# Altium PCB MOTHERBOARD_Hristo_JLC2313.PcbDoc (part 4 of 4)
Units mm, origin at the board's own origin, x right, y up, seen from the top; angles counter-clockwise.
Board outline 100 x 50 mm, 4 copper layers (Top Layer, GND, Power, Bottom Layer), stack 1.548 mm thick; 230 components, 233 nets, 1062 pads, 1045 vias.
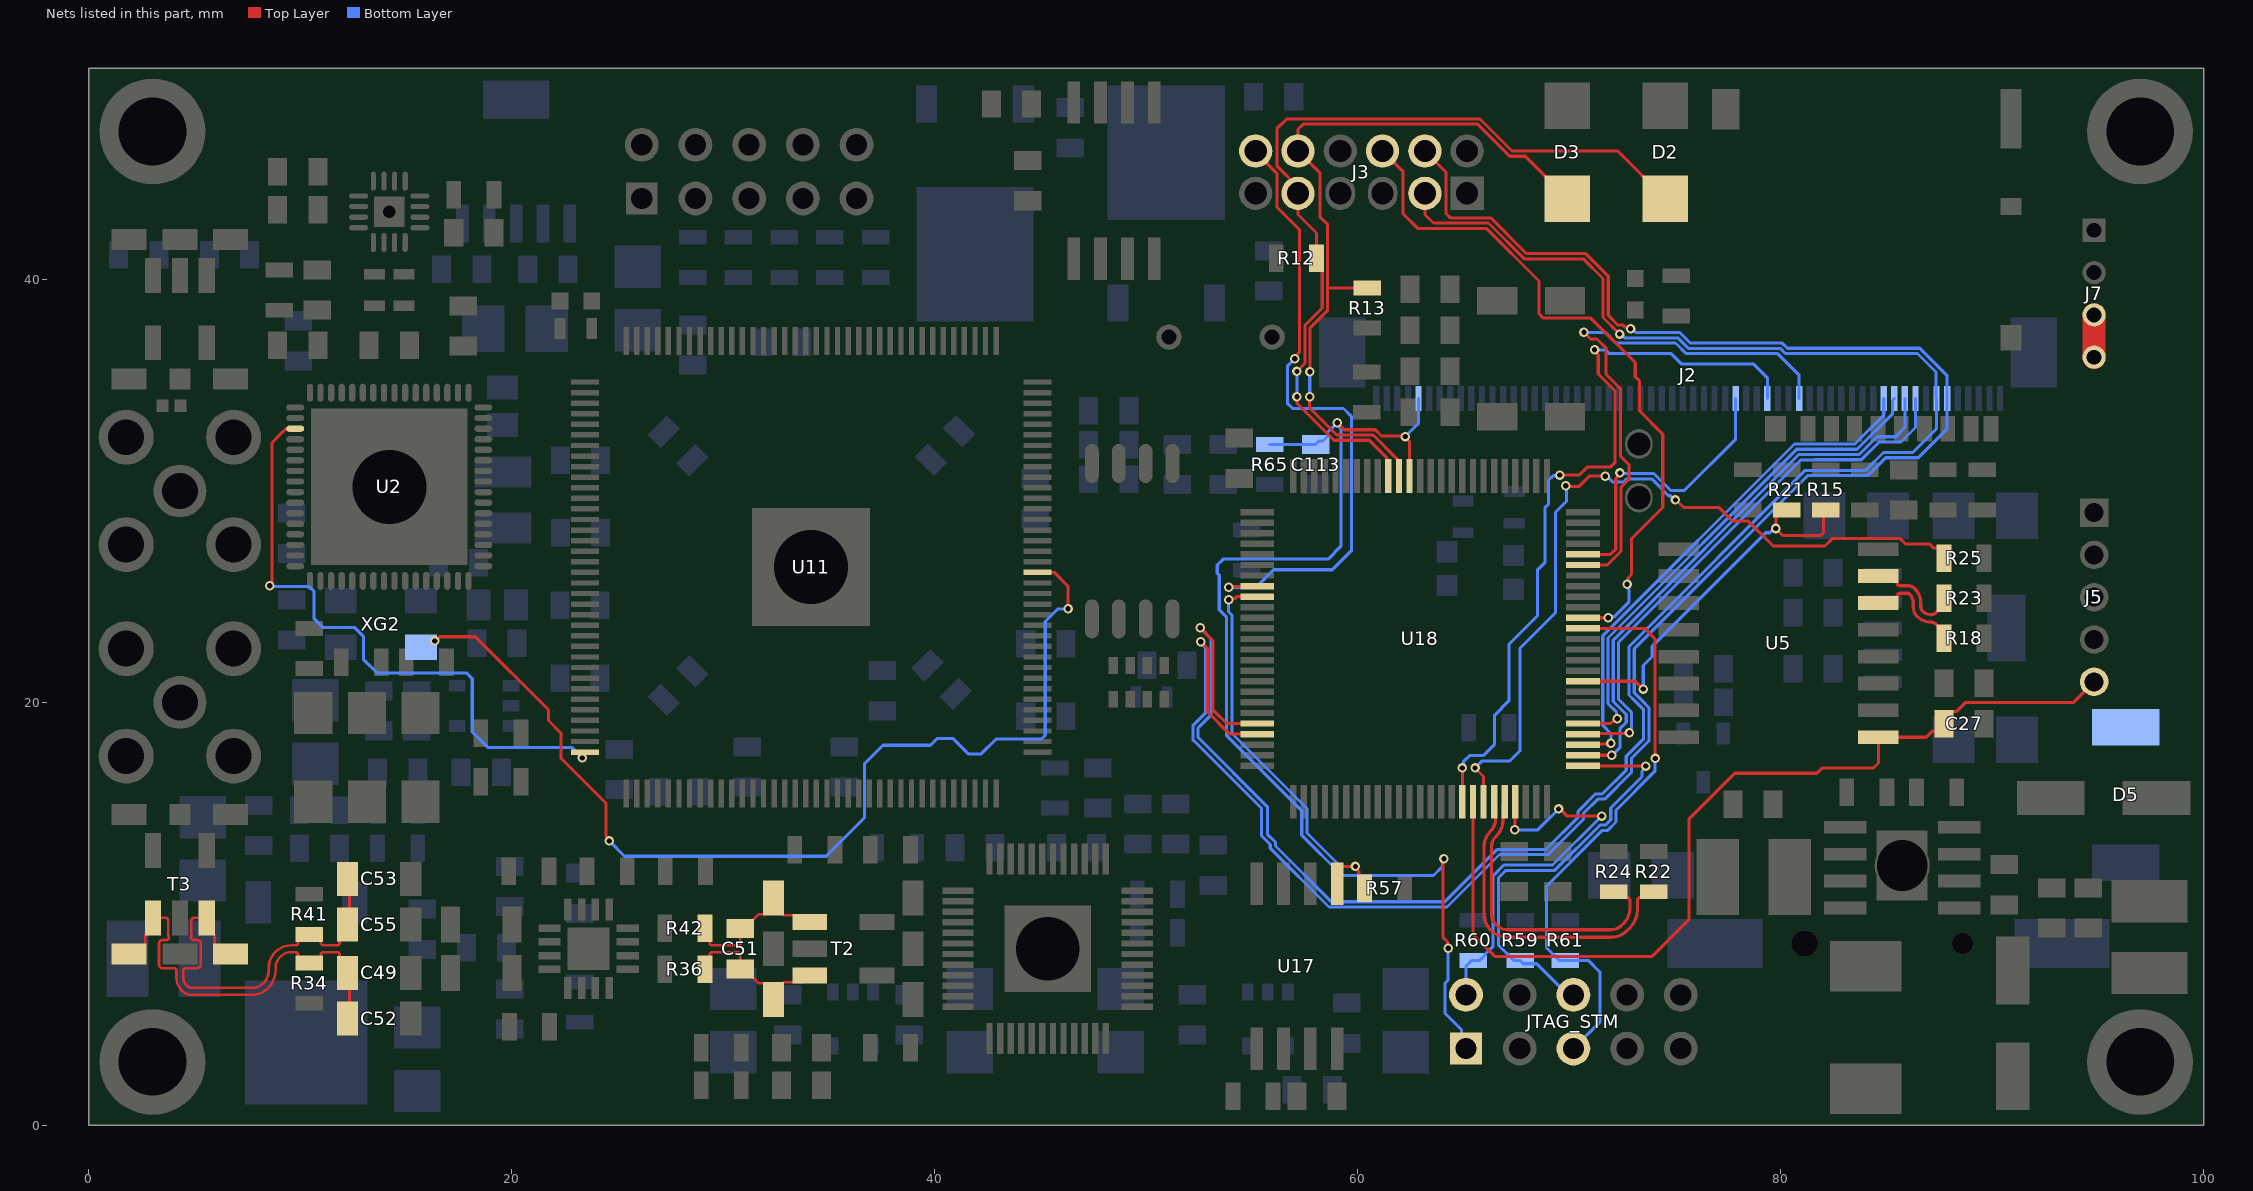
[diagram p6: the nets of this part, all layers, seen from the top]

## Via types
v1: diameter 0.45, hole 0.25, Top Layer to Bottom Layer, tented both sides, 1045 vias

## Nets (pads, with @x,y where several pads share a name; then routed paths per layer and width w, separated by ;. In a path a pad name is that pad's centre, name@x,y a point inside that pad or via, vN(x,y) a via of type N, cw(c..) or ccw(c..) an arc to the next point about the centre after c; other vN are vias at no path point) (continued)
RFUNT_RCLK: J3.6 U18.90 | length 33.3
  Top Layer w0.147: J3.6@61.175,46.075 62.15,45.1 62.15,43.101 62.831,42.42 66.081,42.42 68.57,39.931 68.57,38.382 68.778,38.175 71.026,38.175 73.125,36.076 73.125,35.403 73.323,35.205 73.323,33.788 74.423,32.688 74.423,29.22 72.948,27.745 72.948,26.047 72.781,25.88 72.781,25.63 v1(72.738,25.587) ; U18.90@70.65,24 70.654,24.004 71.839,24.004 v1(71.843,24.007)
  Bottom Layer w0.147: v1(71.843,24.007) 71.886,24.05 72.136,24.05 72.825,24.74 72.825,25.349 72.796,25.378 72.796,25.529 v1(72.738,25.587)
RFUNT_THERM: J3.12 U18.33 | length 30.9
  Top Layer w0.147: v1(53.9,25.448) 53.926,25.474 55.224,25.474 U18.33@55.25,25.5 ; J3.12@54.825,45.689 J3.12@54.825,46.075 ; J3.12@55.175,46.075 55.175,46.024 56.175,45.024 56.175,43.426 57.248,42.353 57.248,36.555 57.025,36.332 v1(57.025,36.25)
  Bottom Layer w0.147: v1(53.9,25.448) 55.195,25.448 56.021,26.273 58.801,26.273 59.701,27.173 59.701,33.525 59.328,33.898 56.927,33.898 56.675,34.15 56.675,35.9 v1(57.025,36.25)
SD_CS: R15.2 R21.2 U18.84 | length 18
  Top Layer w0.147: U18.84@70.65,21 73.132,21 v1(73.502,20.63) ; R21.2@80.175,29.1 80.052,29.1 79.775,28.823 v1(79.775,28.225) 80.103,27.897 81.896,27.897 82.025,28.026 R15.2@82.025,29.1
  Bottom Layer w0.147: v1(73.502,20.63) 73.502,21.743 73.927,22.168 73.927,22.521 73.925,22.523 73.925,22.652 79.296,28.023 79.491,28.023 79.693,28.225 v1(79.775,28.225)
SHDN: U2.19 U11.72 | length 29.6
  Top Layer w0.147: v1(8.543,25.515) 8.652,25.624 8.652,32.278 9.072,32.698 9.291,32.918 9.721,32.918 U2.19@9.75,32.947 ; v1(23.325,17.375) 23.325,17.596 23.379,17.65 U11.72@23.45,17.65
  Bottom Layer w0.147: v1@8.543,25.475 10.422,25.475 10.65,25.247 10.65,23.949 11.047,23.552 12.548,23.552 12.977,23.123 12.977,22.047 13.624,21.4 17.85,21.4 18.127,21.123 18.127,18.598 18.85,17.875 22.825,17.875 v1(23.325,17.375)
STM_NRST: C113.2 J2.5 JTAG_STM.1 R65.1 U18.14 | length 55.4
  Top Layer w0.147: v1(59.027,33.225) 59.358,32.894 60.833,32.894 61.126,32.6 62.215,32.6 v1(62.242,32.574) 62.242,32.544 62.45,32.336 U18.14@62.45,30.7 ; v1(64.076,12.607) 64.025,12.556 64.025,8.9 64.248,8.677 64.248,8.398 v1(64.277,8.369)
  Bottom Layer w0.147: R65.1@55.837,32.2 C113.2@58.025,32.2 58.025,32.222 58.164,32.361 58.357,32.361 58.573,32.576 58.573,32.77 58.986,33.184 v1(59.027,33.225) 59.027,33.142 59.204,32.965 59.204,27.379 58.6,26.775 53.634,26.775 53.357,26.498 53.357,26.105 53.45,26.012 53.45,24.375 53.8,24.025 53.8,18.429 57.352,14.878 57.352,13.722 59.258,11.815 63.581,11.815 64.018,12.252 64.018,12.549 v1(64.076,12.607) ; v1(62.242,32.574) 62.875,33.207 J2.5@62.875,34.375 ; v1(64.277,8.369) 64.277,6.869 64.125,6.717 64.125,5.3 64.911,4.514 64.911,3.839 JTAG_STM.1@65.12,3.63
SWCLK: JTAG_STM.6 R59.2 U18.76 | length 21.3
  Top Layer w0.147: U18.76@70.65,17 71.775,17 71.784,16.991 v1(73.623,16.991)
  Bottom Layer w0.147: JTAG_STM.6@69.932,6.443 70.502,6.443 JTAG_STM.6@70.78,6.165 ; JTAG_STM.6@70.2,6.17 69.93,6.17 68.459,7.641 67.834,7.641 R59.2@67.675,7.8 67.375,7.8 66.65,8.525 66.65,11.696 67.013,12.059 69.317,12.059 71.457,14.199 71.717,14.199 71.966,14.448 71.966,15.01 73.446,16.49 73.446,16.754 73.623,16.931 v1(73.623,16.991)
SWDIO: JTAG_STM.2 R60.2 U18.72 | length 18.7
  Top Layer w0.147: v1(67.425,13.975) 67.438,13.988 67.438,15.287 U18.72@67.45,15.3 ; v1(69.5,14.961) 69.571,14.961 69.908,14.624 v1(71.541,14.624)
  Bottom Layer w0.147: JTAG_STM.2@65.12,6.17 65.12,7.523 65.397,7.8 65.7,7.8 65.775,7.8 66.052,8.077 66.052,8.127 66.402,8.477 66.402,11.799 66.91,12.308 69.214,12.308 71.531,14.624 v1(71.541,14.624) ; v1(67.425,13.975) 68.514,13.975 v1(69.5,14.961)
SWO: JTAG_STM.5 R61.2 U18.89 | length 27.7
  Top Layer w0.147: U18.89@70.65,23.5 73.575,23.5 74.05,23.025 74.05,17.375 v1(74.075,17.35)
  Bottom Layer w0.147: JTAG_STM.5@70.2,3.63 71.452,4.882 71.452,7.248 70.9,7.8 R61.2@69.825,7.8 69.525,7.8 68.925,8.4 68.925,11.306 71.569,13.95 71.82,13.95 72.214,14.345 72.214,14.907 74.05,16.743 74.05,17.325 v1(74.075,17.35)
SWR_BACKW: D2.1 J3.9 R12.1 U18.16 | length 40.7
  Top Layer w0.147: v1(57.125,34.45) 57.125,34.15 58.878,32.397 60.551,32.397 61.373,31.574 61.373,30.777 U18.16@61.45,30.7 ; v1(57.125,35.65) 57.5,36.025 57.5,37.826 58.325,38.651 58.325,40.725 R12.1@58.05,41 58.05,42.2 57.175,43.075 57.175,44.375 56.175,45.375 56.175,47.125 56.643,47.593 65.782,47.593 67.3,46.075 72.3,46.075 D2.1@74.55,43.825
  Bottom Layer w0.147: v1(57.125,34.45) v1(57.125,35.65)
SWR_FORW: D3.1 J3.10 R13.1 U18.15 | length 36.3
  Top Layer w0.147: v1(57.725,34.45) 57.725,33.925 59.005,32.645 60.73,32.645 61.873,31.502 61.873,30.777 U18.15@61.95,30.7 ; v1(57.742,35.633) 57.748,35.639 57.748,37.723 58.575,38.55 58.575,39.6 ; R13.1@60.45,39.6 58.575,39.6 ; D3.1@69.9,43.825 69.9,43.85 67.923,45.827 67.197,45.827 65.679,47.345 57.42,47.345 57.175,47.1 57.175,46.074 58.225,45.024 58.225,42.95 58.575,42.6 58.575,39.6
  Bottom Layer w0.147: v1(57.725,34.45) 57.734,34.459 57.734,35.624 v1(57.742,35.633)
T6_N: C53.1 C55.1 R41.1 T3.3 T3.9 | length 19.6
  Top Layer w0.122: T3.3@6.7,8.1 6.375,8.1 5.936,8.539 5.936,8.999 5.57,9.365 T3.9@5.57,9.81 4.965,9.81 ccw(c4.965,9.688) 4.843,9.688 4.843,8.985 cw(c4.68,8.985) 4.832,8.927 ccw(c4.947,8.885) 4.946,8.763 5.125,8.763 cw(c5.125,8.6) 5.288,8.6 5.288,7.6 cw(c5.125,7.6) 5.125,7.437 4.585,7.437 ccw(c4.585,7.315) 4.463,7.315 4.463,6.992 ccw(c5.017,6.992) 4.625,6.6 ccw(c4.866,6.841) 4.866,6.5 7.707,6.5 ccw(c7.707,7.268) 8.25,6.725 ccw(c7.648,7.327) 8.5,7.327 8.5,7.434 cw(c9.588,7.434) 8.818,8.204 8.821,8.206 cw(c9.562,7.465) 9.562,8.513 9.764,8.513 ccw(c9.764,8.635) 9.851,8.549 ccw(c9.764,8.635) 9.887,8.635 9.887,8.66 cw(c10.07,8.66) 9.94,8.79 10.031,8.881 cw(c10.38,8.532) 10.38,9.025 R41.1@10.425,9.025 10.675,9.025 10.963,8.736 10.963,8.584 11.035,8.513 11.777,8.513 11.849,8.584 11.849,9.123 C55.1@12.219,9.493
  Top Layer w0.154: C55.1@12.319,9.493 C53.1@12.319,11.652
T6_P: C49.1 C52.1 R34.2 T3.1 T3.7 | length 20.1
  Top Layer w0.122: T3.1@1.9,8.1 2.225,8.1 2.664,8.539 2.664,8.999 3.03,9.365 T3.7@3.03,9.81 3.635,9.81 cw(c3.635,9.688) 3.757,9.688 3.757,8.985 ccw(c3.92,8.985) 3.768,8.927 cw(c3.653,8.885) 3.653,8.763 3.475,8.763 ccw(c3.475,8.6) 3.312,8.6 3.312,7.6 ccw(c3.475,7.6) 3.475,7.437 4.015,7.437 cw(c4.015,7.315) 4.137,7.315 4.137,6.99 ccw(c5.012,6.99) 4.393,6.371 4.397,6.368 ccw(c4.864,6.835) 4.864,6.175 7.709,6.175 ccw(c7.709,7.263) 8.479,6.493 8.481,6.496 ; 8.481,6.496 ccw(c7.65,7.326) 8.825,7.326 8.825,7.432 cw(c9.593,7.432) 9.05,7.975 cw(c9.562,7.463) 9.562,8.187 9.764,8.187 cw(c9.764,8.065) 9.851,8.151 cw(c9.764,8.065) 9.887,8.065 9.887,8.04 ccw(c10.07,8.04) 9.94,7.91 10.031,7.819 ccw(c10.38,8.168) 10.38,7.675 R34.2@10.425,7.675 10.675,7.675 10.963,7.964 10.963,8.116 11.035,8.187 11.777,8.187 11.849,8.116 11.849,7.577 C49.1@12.219,7.207
  Top Layer w0.154: C52.1@12.319,5.048 C49.1@12.319,7.207
T_N: C51.1 R42.2 T2.1 T2.7 | length 7.5
  Top Layer w0.122: R42.2@29.125,9.325 29.363,9.087 29.363,8.584 29.435,8.513 30.728,8.513 30.8,8.584 C51.1@30.8,9.3 31,9.3 31.686,9.986 31.936,9.986 T2.1@32.375,10.425 ; T2.1@32.375,10.75 T2.1@32.375,10.425 ; T2.7@34.085,9.62 33.766,9.939 32.861,9.939 T2.1@32.375,10.425
T_P: C51.2 R36.1 T2.3 T2.9 | length 7.5
  Top Layer w0.122: R36.1@29.125,7.375 29.363,7.613 29.363,8.116 29.435,8.187 30.728,8.187 30.8,8.116 C51.2@30.8,7.4 31,7.4 31.686,6.714 31.936,6.714 T2.3@32.375,6.275 ; T2.3@32.375,5.95 T2.3@32.375,6.275 ; T2.9@34.085,7.08 33.766,6.761 32.861,6.761 T2.3@32.375,6.275
TCXO_CLK: U11.126 XG2.3 | length 49.2
  Top Layer w0.147: v1(16.351,22.906) 16.389,22.906 16.589,23.106 18.269,23.106 21.729,19.646 21.729,19.143 22.325,18.547 22.325,17.361 24.45,15.236 24.45,13.682 24.6,13.532 v1(24.6,13.45) ; U11.126@44.85,26.15 45.65,26.15 46.3,25.5 v1(46.3,24.425)
  Bottom Layer w0.147: v1(24.6,13.45) 25.323,12.727 34.853,12.727 36.675,14.549 36.675,17.1 37.548,17.973 39.798,17.973 40.125,18.3 40.85,18.3 41.598,17.552 42.177,17.552 42.898,18.273 45.048,18.273 45.225,18.45 45.225,23.825 45.825,24.425 v1(46.3,24.425)
TOUCH_INT: J2.38 U18.67 | length 36.2
  Top Layer w0.147: U18.67@64.95,15.3 v1(64.95,16.9) ; v1(69.553,30.752) 70.477,30.752 70.85,31.125 71.95,31.125 72.177,31.352 72.177,34.73 71.375,35.532 71.375,36.437 71.2,36.612 v1(71.2,36.675)
  Bottom Layer w0.147: v1(64.95,16.9) 64.994,16.944 64.994,17.192 65.284,17.483 65.931,17.483 66.475,18.026 66.475,19.4 67.148,20.073 67.148,22.739 68.498,24.089 68.498,26.248 68.852,26.602 68.852,29.2 69.025,29.374 69.025,30.494 69.25,30.719 69.52,30.719 v1(69.553,30.752) ; v1(71.2,36.675) 71.722,36.675 71.9,36.497 74.826,36.497 75.326,35.997 78.728,35.997 79.375,35.35 J2.38@79.375,34.375
TOUCH_SCL: J2.41 U18.95 | length 25.7
  Top Layer w0.147: U18.95@70.65,26.5 71.804,26.5 72.45,27.146 72.45,30.175 72.825,30.55 72.825,31.075 72.825,31.248 72.425,31.648 72.425,34.833 71.75,35.508 71.75,36.749 71.316,37.183 71.019,37.183 v1(70.701,37.501)
  Bottom Layer w0.147: v1(70.701,37.501) 71.699,37.501 72.206,36.994 75.031,36.994 75.531,36.494 79.856,36.494 80.875,35.475 J2.41@80.875,34.375
TOUCH_SDA: J2.35 U18.96 | length 14.1
  Top Layer w0.147: U18.96@70.65,27 71.952,27 72.202,27.249 72.202,30.57 72.4,30.768 v1(72.4,30.85)
  Bottom Layer w0.147: v1(72.4,30.85) 72.427,30.823 74,30.823 74.8,30.023 75.448,30.023 77.875,32.45 J2.35@77.875,34.375
UD_N: R18.2 U5.6 | length 4.7
  Top Layer w0.153: U5.6@84.612,24.705 85.074,24.705 ccw(c85.074,25.129) 85.374,24.829 85.456,24.911 ccw(c85.355,25.013) 85.498,25.013 cw(c85.641,25.013) 85.54,25.114 cw(c85.655,24.999) 85.655,25.162 86.011,25.162 cw(c86.011,25.036) 86.1,25.125 cw(c85.678,24.703) 86.275,24.703 86.275,24.49 ccw(c86.863,24.49) 86.447,24.074 86.45,24.071 ccw(c87.12,24.741) 87.12,23.794 87.125,23.794 cw(c87.125,23.477) 87.349,23.701 87.513,23.537 cw(c87.001,23.025) R18.2@87.725,23.025
UD_P: R23.2 U5.7 | length 4.7
  Top Layer w0.153: U5.7@84.612,25.975 85.074,25.975 cw(c85.074,25.551) 85.374,25.851 85.456,25.769 cw(c85.355,25.667) 85.498,25.667 ccw(c85.641,25.667) 85.54,25.566 ccw(c85.655,25.681) 85.655,25.518 86.013,25.518 cw(c86.013,25.04) 86.351,25.378 86.354,25.375 cw(c85.685,24.705) 86.631,24.705 86.631,24.491 ccw(c86.866,24.491) 86.7,24.325 ccw(c87.122,24.747) 87.122,24.15 87.125,24.15 ccw(c87.125,24.452) 87.338,24.238 87.513,24.413 ccw(c87.001,24.925) R23.2@87.725,24.925
USB_D_N: R22.2 U18.70 | length 15.4
  Top Layer w0.153: 66.298,9.223 ccw(c67.093,10.018) 67.093,8.894 71.993,8.894 ccw(c71.993,9.931) 72.726,9.197 72.879,9.35 ccw(c72.036,10.193) 73.228,10.193 73.228,10.623 cw(c73.381,10.623) 73.273,10.732 cw(c73.381,10.623) 73.381,10.777 ccw(c73.381,11.61) 73.971,11.021 R22.2@74,11.05 ; 66.297,9.224 cw(c67.09,10.017) 65.969,10.017 65.969,13.162 cw(c67.01,13.162) 66.274,13.899 66.275,13.9 ccw(c65.679,14.496) 66.522,14.496 66.522,15.127 ccw(c66.277,15.127) U18.70@66.45,15.3
USB_D_P: R24.2 U18.71 | length 14.3
  Top Layer w0.153: U18.71@66.95,15.3 ccw(c67.123,15.127) 66.878,15.127 66.878,14.493 cw(c65.685,14.493) 66.529,13.65 66.527,13.648 ccw(c67.015,13.16) 66.325,13.16 66.325,10.018 ccw(c67.093,10.018) 66.55,9.475 ccw(c67.093,10.018) 67.093,9.25 71.992,9.25 ccw(c71.992,9.933) 72.475,9.45 72.575,9.55 ccw(c71.858,10.267) 72.872,10.267 72.872,10.623 ccw(c72.719,10.623) 72.827,10.732 ccw(c72.719,10.623) 72.719,10.777 cw(c72.719,11.61) 72.129,11.021 R24.2@72.1,11.05
USB_ID: R25.2 U18.69 | length 38
  Top Layer w0.147: v1(65.55,16.9) 65.95,16.5 U18.69@65.95,15.3 ; v1(69.834,30.247) 69.878,30.203 70.453,30.203 70.949,30.699 v1(71.699,30.699) ; v1(75.025,29.575) 75.056,29.575 75.404,29.227 77.076,29.227 77.728,28.575 78.472,28.575 79.647,27.4 82.101,27.4 82.446,27.745 85.655,27.745 85.911,27.489 87.048,27.489 87.241,27.297 87.448,27.297 87.725,27.02 R25.2@87.725,26.812
  Bottom Layer w0.147: v1(65.55,16.9) 65.884,17.234 67.201,17.234 67.675,17.708 67.675,22.563 69.35,24.238 69.35,28.988 69.877,29.515 69.877,30.204 v1(69.834,30.247) ; v1(71.699,30.699) 71.779,30.699 72.054,30.425 72.576,30.425 72.727,30.575 73.897,30.575 74.697,29.775 74.787,29.775 74.987,29.575 v1(75.025,29.575)
USB_VBUS: C27.2 J5.5 U5.1 U18.68 | length 45.1
  Top Layer w0.147: U18.68@65.45,15.3 65.45,9.025 66.5,7.975 73.9,7.975 75.675,9.75 75.675,14.5 77.825,16.65 81.713,16.65 81.963,16.9 84.388,16.9 84.625,17.137 84.625,18.342 U5.1@84.612,18.355 86.88,18.355 87.141,18.616 87.348,18.616 87.725,18.992 87.725,19.2 88.102,19.577 88.327,19.577 88.738,19.988 93.838,19.988 J5.5@94.825,20.975
VIN: D5.2 J7.3 J7.4 | length 2
  Top Layer w1.1: J7.4@94.825,36.325 J7.3@94.825,38.325
W25Q16_CS: R57.2 U17.1 U18.34 | length 19.7
  Top Layer w0.147: v1(53.9,24.85) 53.958,24.908 54.192,24.908 54.284,25 U18.34@55.25,25 ; U17.1@59.025,11.425 59.025,12.014 59.252,12.241 59.875,12.241 v1(59.894,12.241) 59.894,12.159 60.048,12.004 60.048,11.477 R57.2@60.325,11.2
  Bottom Layer w0.147: v1(53.9,24.85) v1(53.9,24.85) 53.898,24.278 54.052,24.125 54.052,18.529 57.6,14.98 57.6,13.825 59.184,12.241 v1(59.894,12.241)
WM8731_ADC_SD: J2.52 U18.79 | length 26.4
  Top Layer w0.147: U18.79@70.65,18.5 70.681,18.531 72.817,18.531 v1(72.848,18.562)
  Bottom Layer w0.147: v1(72.848,18.562) 72.848,18.644 72.95,18.746 72.95,19.5 72.948,19.502 72.948,19.528 72.331,20.145 72.331,22.84 80.965,31.473 81.598,31.473 81.6,31.475 83.82,31.475 84.662,32.317 85.692,32.317 86.375,33 J2.52@86.375,34.375
WM8731_BCLK: J2.49 U18.78 | length 25
  Top Layer w0.147: U18.78@70.65,18 70.687,18.037 71.938,18.037 v1(71.975,18.074)
  Bottom Layer w0.147: v1(71.975,18.074) 71.975,18.525 71.586,18.914 71.586,23.148 80.657,32.22 83.511,32.22 84.875,33.584 J2.49@84.875,34.375
WM8731_DAC_SD: J2.50 U18.80 | length 24.3
  Top Layer w0.147: U18.80@70.65,19 71.966,19 72.192,19.226 v1(72.274,19.226)
  Bottom Layer w0.147: v1(72.274,19.226) 72.243,19.257 72.243,19.531 71.834,19.94 71.834,23.046 80.76,31.972 83.614,31.972 85.298,33.656 85.298,34.298 J2.50@85.375,34.375
WM8731_SCK: J2.54 J3.3 U18.46 | length 96.5
  Top Layer w0.147: v1(52.55,23.525) 53.15,22.925 53.15,19.65 53.8,19 U18.46@55.25,19 ; J3.3@63.175,44.075 63.175,43.075 63.581,42.669 66.184,42.669 67.876,40.977 70.673,40.977 71.6,40.05 71.6,38.203 v1(72.384,37.419)
  Bottom Layer w0.147: v1(52.55,23.525) 53.055,23.02 53.055,19.401 52.452,18.799 52.452,18.337 55.725,15.064 55.725,13.769 56.11,13.385 56.11,13.208 58.744,10.573 64.122,10.573 66.602,13.053 68.293,13.053 68.906,13.053 70.422,14.569 70.422,14.85 71.247,15.675 71.577,15.675 72.701,16.799 72.701,17.46 73.522,18.281 73.522,19.657 73.075,20.104 72.828,20.351 72.828,22.634 81.166,30.972 84.019,30.972 84.868,31.82 86.245,31.82 87.375,32.95 J2.54@87.375,34.375 87.35,34.4 87.35,35.625 86.475,36.5 80.224,36.5 79.982,36.742 75.634,36.742 75.134,37.242 72.622,37.242 72.444,37.419 v1(72.384,37.419)
WM8731_SDA: J2.55 J3.4 U18.47 | length 98.3
  Top Layer w0.147: v1(52.575,22.866) 52.902,22.539 52.902,19.547 53.949,18.5 U18.47@55.25,18.5 ; J3.4@63.175,46.075 64.175,45.075 64.175,43.125 64.383,42.917 66.287,42.917 67.979,41.225 70.776,41.225 71.848,40.153 71.848,38.306 72.31,37.845 72.56,37.845 72.679,37.726 72.847,37.726 v1(72.905,37.668)
  Bottom Layer w0.147: v1(52.575,22.866) 52.575,22.805 52.806,22.574 52.806,19.504 52.204,18.901 52.204,18.234 52.349,18.089 52.452,17.986 52.975,17.464 55.458,14.98 55.458,13.685 55.861,13.282 55.861,13.105 58.641,10.325 64.225,10.325 66.705,12.805 69.009,12.805 70.67,14.466 70.67,14.747 71.35,15.427 71.68,15.427 72.949,16.696 72.949,17.357 73.77,18.179 73.77,19.76 73.45,20.08 73.076,20.454 73.076,22.531 81.268,30.723 84.122,30.723 84.971,31.572 86.506,31.572 87.875,32.94 J2.55@87.875,34.375 87.875,35.451 86.578,36.748 80.327,36.748 80.085,36.99 75.737,36.99 75.237,37.49 73.142,37.49 72.965,37.668 v1(72.905,37.668)
WM8731_WS_LRC: J2.51 U18.77 | length 26.7
  Top Layer w0.147: U18.77@70.65,17.5 72.009,17.5 v1(72.011,17.498)
  Bottom Layer w0.147: v1(72.011,17.498) 72.036,17.498 72.4,17.862 72.4,18.75 72.7,19.05 72.7,19.425 72.082,20.043 72.082,22.943 80.863,31.723 83.717,31.723 84.559,32.565 85.44,32.565 85.875,33 J2.51@85.875,34.375
pads on no net: BT1. J2.24 J2.25 J2.26 J2.57 J2.58 J2.59 J2.60 J4.1 J4.8 JTAG_FPGA.6 JTAG_FPGA.7 JTAG_FPGA.8 JTAG_STM.9 JTAG_STM.10 T1.5 T2.5 T3.2 T3.5 T3.8 U1.5 U2.21 U2.22 U2.23 U2.24 U2.25 U2.26 U2.27 U2.28 U2.29 U2.30 U2.33 U2.34 U2.35 U2.36 U2.37 U2.38 U2.39 U2.40 U3.6 U3.7 U6.25 U8.4 U11.7 U11.10 U11.11 U11.23 U11.24 U11.25 U11.80 U11.83 U11.91 U11.127 U11.128 U11.129 XG2.1

## Polygon pours and split planes (outlines as drawn)
GND on Bottom Layer "GND_L04_P008" (solid, remove dead copper, pour order 8): 0,50 100,50 100,0 0,0
+2V5 on Bottom Layer "+2V5_L04_P000" (solid, pour order 0): 25.8,33.975 26.625,34.8 41.75,34.8 42.55,34 42.55,19.65 41.775,18.875 26.575,18.875 25.8,19.65
+1V2 on Bottom Layer "+1V2_L04_P003" (solid, pour order 3): 47.35,50 54.075,50 54.075,40.9 47.35,40.9
+2V5 on Bottom Layer "+2V5_L04_P002" (solid, pour order 2): 44.777,42.175 45.452,42.175 47.811,39.9 49.175,39.9 49.175,38.025 48.56,38.025 47.8,38.025 46.625,36.85 46.625,35.5 44.777,35.5 44.777,38.025 44.777,39.575
+2V5 on Bottom Layer "+2V5_L04_P001" (solid, pour order 1): 38.565,44.375 46.625,44.375 46.625,35.5 42.55,31.425 41.612,31.391 41.628,33.213 35.748,33.213 35.75,33.215 35.75,34.801 38.581,37.816
GND on Top Layer "GND_L01_P107" (solid, remove dead copper, pour order 107): 0,50 0,0 100,0 100,50
5V on Top Layer "5V_L01_P006" (solid, pour order 6): 76.025,14.225 77.625,15.825 78.2,15.825 78.2,10.125 78.874,9.451 80.027,9.454 80.021,7.699 82.005,5.675 85.725,5.675 85.725,0.306 76.588,0.306 76.588,6.887 76.025,7.45
GND on Top Layer "Top Layer-GND" (solid, pour order 110): 4.704,21.806 4.777,21.781 4.853,21.766 5.158,21.64 5.222,21.597 5.292,21.563 5.553,21.362 5.604,21.304 5.662,21.253 5.863,20.992 5.897,20.922 5.94,20.858 6.066,20.553 6.081,20.477 6.106,20.404 6.149,20.077 6.144,20 6.149,19.923 6.106,19.596 6.081,19.523 6.066,19.447 5.94,19.142 5.897,19.078 5.863,19.008 5.662,18.747 5.604,18.696 5.553,18.638 5.292,18.437 5.222,18.403 5.158,18.36 5.105,18.338 5.105,17.1 5.094,17.043 5.094,16.984 5.078,16.903 5.03,16.787 4.989,16.689 4.943,16.621 4.902,16.579 4.869,16.531 3.321,14.982 3.319,14.972 3.319,14.428 3.322,14.409 3.41,14.409 3.637,14.363 3.83,14.235 3.958,14.042 4.004,13.815 4.004,12.165 3.958,11.938 3.83,11.745 3.637,11.617 3.41,11.571 2.65,11.571 2.423,11.617 2.23,11.745 2.102,11.938 2.056,12.165 2.056,13.27 1.948,13.378 1.915,13.427 1.874,13.468 1.828,13.537 1.799,13.606 1.075,13.606 0.848,13.652 0.655,13.78 0.527,13.973 0.481,14.2 0.481,15.2 0.527,15.427 0.655,15.62 0.848,15.748 1.075,15.794 1.872,15.794 1.874,15.797 1.915,15.838 1.948,15.887 3.495,17.434 3.495,18.338 3.442,18.36 3.378,18.403 3.308,18.437 3.047,18.638 2.996,18.696 2.938,18.747 2.737,19.008 2.703,19.078 2.66,19.142 2.534,19.447 2.519,19.523 2.494,19.596 2.451,19.923 2.456,20 2.451,20.077 2.494,20.404 2.519,20.477 2.534,20.553 2.66,20.858 2.703,20.922 2.737,20.992 2.938,21.253 2.996,21.304 3.047,21.362 3.308,21.563 3.378,21.597 3.442,21.64 3.747,21.766 3.823,21.781 3.896,21.806 4.223,21.849 4.3,21.844 4.377,21.849
GND on Top Layer "Top Layer-GND 1" (solid, pour order 109): 3.637,38.383 3.83,38.255 3.958,38.062 4.004,37.835 4.004,36.185 3.958,35.958 3.83,35.765 3.637,35.637 3.41,35.591 3.322,35.591 3.319,35.572 3.319,35.028 3.321,35.018 3.42,34.919 3.75,34.919 3.977,34.873 4.17,34.745 4.298,34.552 4.344,34.325 4.344,33.995 4.869,33.469 4.902,33.421 4.943,33.379 4.989,33.311 5.03,33.213 5.078,33.097 5.094,33.016 5.094,32.957 5.105,32.9 5.105,31.662 5.158,31.64 5.222,31.597 5.292,31.563 5.553,31.362 5.604,31.304 5.662,31.253 5.863,30.992 5.897,30.922 5.94,30.858 6.066,30.553 6.081,30.477 6.106,30.404 6.149,30.077 6.144,30 6.149,29.923 6.106,29.596 6.081,29.523 6.066,29.447 5.94,29.142 5.897,29.078 5.863,29.008 5.662,28.747 5.604,28.696 5.553,28.638 5.292,28.437 5.222,28.403 5.158,28.36 4.853,28.234 4.777,28.219 4.704,28.194 4.377,28.151 4.3,28.156 4.223,28.151 3.896,28.194 3.823,28.219 3.747,28.234 3.442,28.36 3.378,28.403 3.308,28.437 3.047,28.638 2.996,28.696 2.938,28.747 2.737,29.008 2.703,29.078 2.66,29.142 2.534,29.447 2.519,29.523 2.494,29.596 2.451,29.923 2.456,30 2.451,30.077 2.494,30.404 2.519,30.477 2.534,30.553 2.66,30.858 2.703,30.922 2.737,30.992 2.938,31.253 2.996,31.304 3.047,31.362 3.308,31.563 3.378,31.597 3.442,31.64 3.495,31.662 3.495,32.566 1.948,34.113 1.915,34.162 1.874,34.203 1.872,34.206 1.075,34.206 0.848,34.252 0.655,34.38 0.527,34.573 0.481,34.8 0.481,35.8 0.527,36.027 0.655,36.22 0.848,36.348 1.075,36.394 1.799,36.394 1.828,36.463 1.874,36.532 1.915,36.573 1.948,36.622 2.056,36.73 2.056,37.835 2.102,38.062 2.23,38.255 2.423,38.383 2.65,38.429 3.41,38.429
+3V3 on Top Layer "+3V3_L01_P007" (solid, pour order 7): 53.75,31.05 56.225,31.05 56.225,29.775 56.1,29.65 53.75,29.65
NetC74_2 on Top Layer "NETC74_2_L01_P004" (solid, remove dead copper, pour order 4): 87.45,11.85 88.95,11.85 89.925,10.875 91.225,10.875 92.175,9.775 93.475,9.775 93.475,8.575 100,8.575 100,6.2 99.55,5.75 87.7,5.75 87.45,6
+5 on Power (split plane): 99.49,14.752 94.775,14.752 94.71,14.744 94.649,14.718 94.597,14.678 93.522,13.603 93.482,13.551 93.456,13.49 93.448,13.425 93.448,8.604 87.596,2.752 12.654,2.752 9.303,6.103 8.202,7.204 8.202,20.123 16.625,20.123 16.69,20.131 16.751,20.157 16.803,20.197 20.128,23.522 20.146,23.544 20.168,23.574 20.194,23.635 20.202,23.7 20.202,30.071 21.278,31.147 21.318,31.199 21.344,31.26 21.352,31.325 21.352,31.55 21.352,44.125 21.344,44.19 21.318,44.251 21.296,44.281 21.278,44.303 20.353,45.228 20.301,45.268 20.24,45.294 20.175,45.302 8.425,45.302 8.36,45.294 8.299,45.268 8.247,45.228 7.772,44.753 7.732,44.701 7.706,44.64 7.698,44.575 7.698,41.675 7.698,40.302 0.51,40.302 0.51,49.49 99.49,49.49
NetC75_2 on Power (split plane): 99.49,0.51 0.51,0.51 0.51,6.848 7.846,6.848 8.947,5.747 12.372,2.322 12.394,2.304 12.424,2.282 12.485,2.256 12.55,2.248 87.7,2.248 87.765,2.256 87.826,2.282 87.878,2.322 93.878,8.322 93.896,8.344 93.918,8.374 93.944,8.435 93.952,8.5 93.952,13.321 94.879,14.248 99.49,14.248
GND on Power (split plane): 7.698,35.9 7.698,22.4 7.698,20.375 7.698,7.352 0.51,7.352 0.51,39.798 7.698,39.798
NetC1_1 on Power (split plane): 20.848,44.021 20.848,31.55 20.848,31.429 19.772,30.353 19.732,30.301 19.706,30.24 19.698,30.175 19.698,23.804 16.521,20.627 8.202,20.627 8.202,22.4 8.202,35.9 8.202,44.471 8.529,44.798 20.071,44.798
GND on Power (split plane): 82.423,33.996 82.423,25.729 81.247,24.553 81.207,24.501 81.181,24.44 81.173,24.375 81.173,17.254 77.897,13.978 76.347,12.428 72.896,8.977 51.654,8.977 48.203,12.428 48.151,12.468 48.09,12.494 48.025,12.502 21.754,12.502 20.902,13.354 20.902,15.521 20.904,15.523 29.45,15.523 29.515,15.531 29.576,15.557 29.628,15.597 31.778,17.747 32.304,18.273 33.646,18.273 34.397,17.522 34.449,17.482 34.51,17.456 34.575,17.448 35.825,17.448 35.89,17.456 35.951,17.482 36.003,17.522 36.728,18.247 37.579,19.098 42.95,19.098 43.015,19.106 43.076,19.132 43.128,19.172 43.803,19.847 44.378,20.422 44.418,20.474 44.444,20.535 44.452,20.6 44.452,28.721 44.729,28.998 58.275,28.998 58.34,29.006 58.401,29.032 58.453,29.072 59.103,29.722 59.143,29.774 59.169,29.835 59.177,29.9 59.177,33.196 60.779,34.798 81.621,34.798
+3V3 on Power (split plane): 89.723,38.946 89.723,32.55 89.723,26.229 89.371,25.877 82.927,25.877 82.927,34.1 82.919,34.165 82.893,34.226 82.853,34.278 81.903,35.228 81.851,35.268 81.79,35.294 81.725,35.302 60.675,35.302 60.61,35.294 60.549,35.268 60.497,35.228 58.747,33.478 58.707,33.426 58.681,33.365 58.673,33.3 58.673,30.004 58.171,29.502 44.625,29.502 44.56,29.494 44.499,29.468 44.469,29.446 44.447,29.428 44.022,29.003 43.982,28.951 43.956,28.89 43.948,28.825 43.948,20.704 43.447,20.203 42.846,19.602 37.475,19.602 37.41,19.594 37.349,19.568 37.319,19.546 37.297,19.528 36.372,18.603 35.721,17.952 34.679,17.952 33.928,18.703 33.876,18.743 33.815,18.769 33.75,18.777 32.2,18.777 32.135,18.769 32.092,18.751 32.074,18.743 32.051,18.726 32.022,18.703 31.422,18.103 29.346,16.027 20.902,16.027 20.902,18.746 21.654,19.498 23.4,19.498 23.465,19.506 23.526,19.532 23.578,19.572 24.353,20.347 24.393,20.399 24.419,20.46 24.427,20.525 24.427,34.771 25.629,35.973 46.373,35.973 46.373,34.775 46.381,34.71 46.407,34.649 46.447,34.597 46.847,34.197 46.869,34.179 46.899,34.157 46.96,34.131 47.025,34.123 50.825,34.123 50.89,34.131 50.951,34.157 51.003,34.197 53.903,37.097 53.943,37.149 53.969,37.21 53.977,37.275 53.977,40.923 78,40.923 87.746,40.923
GND on Power (split plane): 17.723,34.271 17.723,28.95 17.723,24.804 15.746,22.827 12.104,22.827 10.777,24.154 10.777,30.7 10.777,36.121 11.129,36.473 15.521,36.473
GND on Power (split plane): 53.473,37.379 50.721,34.627 47.129,34.627 46.877,34.879 46.877,36.85 46.877,39.7 46.877,40.496 47.304,40.923 53.473,40.923
GND on GND (split plane): 99.49,0.51 51.527,0.51 51.527,2.7 51.527,9.625 51.519,9.69 51.493,9.751 51.471,9.781 51.453,9.803 50.778,10.478 50.726,10.518 50.665,10.544 50.6,10.552 47.525,10.552 47.46,10.544 47.399,10.518 47.369,10.496 47.347,10.478 47.197,10.328 47.147,10.278 47.107,10.226 47.081,10.165 47.073,10.1 47.073,9.185 47.081,9.12 47.107,9.059 47.147,9.007 47.307,8.847 47.359,8.807 47.42,8.781 47.485,8.773 48.196,8.773 48.473,8.496 48.473,7.075 48.473,3.729 47.897,3.153 47.846,3.102 35.9,3.102 35.835,3.094 35.774,3.068 35.722,3.028 35.447,2.753 35.407,2.701 35.381,2.64 35.373,2.575 35.373,0.51 0.51,0.51 0.51,11.125 6.475,11.125 6.475,38.9 0.51,38.9 0.51,49.49 99.49,49.49
+1V2 on GND (split plane): 49.498,46.421 49.498,42.954 49.096,42.552 47.425,42.552 47.36,42.544 47.299,42.518 47.247,42.478 46.997,42.228 46.957,42.176 46.931,42.115 46.923,42.05 46.923,40.079 46.721,39.877 37.55,39.877 37.485,39.869 37.424,39.843 37.372,39.803 36.522,38.953 36.272,38.703 36.232,38.651 36.206,38.59 36.198,38.525 36.198,36.65 36.198,36.475 36.206,36.41 36.232,36.349 36.272,36.297 36.647,35.922 36.699,35.882 36.76,35.856 36.825,35.848 43.146,35.848 43.573,35.421 43.573,33.275 43.573,29.3 43.573,20.579 41.246,18.252 39.429,18.252 39.252,18.429 39.252,22.846 39.953,23.547 39.993,23.599 40.019,23.66 40.027,23.725 40.027,30.7 40.019,30.765 39.993,30.826 39.953,30.878 39.378,31.453 39.326,31.493 39.265,31.519 39.2,31.527 29.375,31.527 29.31,31.519 29.267,31.501 29.249,31.493 29.226,31.476 29.197,31.453 28.597,30.853 28.557,30.801 28.531,30.74 28.523,30.675 28.523,20.529 27.772,19.778 27.732,19.726 27.706,19.665 27.698,19.6 27.698,18.1 27.706,18.035 27.732,17.974 27.772,17.922 28.022,17.672 28.074,17.632 28.135,17.606 28.2,17.598 30.146,17.598 30.223,17.521 30.223,17.029 30.171,16.977 25.079,16.977 24.727,17.329 24.727,34.85 24.727,43.05 24.727,44.096 25.554,44.923 35.8,44.923 35.865,44.931 35.926,44.957 35.978,44.997 37.679,46.698 49.221,46.698
+VD on GND (split plane): 51.023,9.521 51.023,2.7 51.023,0.51 35.877,0.51 35.877,2.471 36.004,2.598 47.95,2.598 48.015,2.606 48.076,2.632 48.128,2.672 48.253,2.797 48.903,3.447 48.943,3.499 48.969,3.56 48.977,3.625 48.977,7.075 48.977,8.6 48.969,8.665 48.943,8.726 48.921,8.756 48.903,8.778 48.478,9.203 48.426,9.243 48.365,9.269 48.3,9.277 47.59,9.277 47.577,9.29 47.577,9.996 47.629,10.048 50.496,10.048
+3V3 on GND (split plane): 59.822,29.572 59.874,29.532 59.935,29.506 60,29.498 68.171,29.498 68.273,29.396 68.273,28.479 68.271,28.477 57.879,28.477 57.602,28.754 57.602,29.2 57.594,29.265 57.568,29.326 57.528,29.378 57.078,29.828 57.026,29.868 56.965,29.894 56.9,29.902 55.525,29.902 55.46,29.894 55.399,29.868 55.347,29.828 54.972,29.453 54.932,29.401 54.906,29.34 54.898,29.275 54.898,28.354 54.696,28.152 53.629,28.152 53.027,28.754 53.027,29.025 53.027,30.521 53.328,30.822 53.579,31.073 58.321,31.073

## Keep-outs
Keep-Out Layer:
  the board outline again, w0.2

## Other copper
Top Layer:
  rectangle net NetC1_1: 9.325,34.225 11.1,35.325
  rectangle net +5: 43.65,46.925 45.625,49.375
  rectangle net NetC1_1: 16.225,36.4 18.35,37.3
  rectangle net NetC1_1: 15.3,34.225 16.1,35.45
  rectangle net NetC1_1: 17.8,34.225 18.35,37.3
  rectangle net +5: 23.25,39.675 24.2,42.45
  rectangle net +3V3: 85.175,30.175 86.475,31.45
  rectangle net GND: 82.604,26.8 85.575,27.55
  rectangle net +1V2: 42.775,35.725 44.95,37.775
  rectangle net +3V3: 46.65,30.1 48.075,31.125
  rectangle net GND: 50.925,23.05 51.85,24.875
  rectangle net +3V3: 47.1,30.1 49.025,32.325
  rectangle net +12: 20.65,7.85 21.1,8.85
  rectangle net +12: 20.65,8.5 22.3,8.85
  rectangle net +5: 82.3,6.35 87,9.5
  rectangle net NetL7_1: 79.425,11.25 84.05,11.85
  rectangle net NetC75_2: 95.65,9.625 99.694,19.725
  rectangle net NetC9_2: 3.925,39.375 4.675,42.4
  rectangle net GND: 74.225,26.525 76.15,27.575
  rectangle net GND: 48.85,10.95 50.3,13.425
  rectangle net GND: 47.45,8.45 50.3,9.25
  rectangle net GND: 42.36,2.642 43.231,6.225
  rectangle net GND: 15.575,43.8 16.3,45.425
  rectangle net GND: 15.575,41.4 16.3,42.6
  rectangle net GND: 12.3,41.4 12.85,42.6
  rectangle net GND: 12.8,33.3 13.6,35.37
  rectangle net GND: 35.775,14.575 36.525,18.85
  rectangle net GND: 40.375,10.45 42.625,11.25
  rectangle net GND: 24.425,5.975 25.5,7.025
  rectangle net GND: 21.85,9.675 22.825,10.725
  rectangle net GND: 21.85,5.975 22.825,7.025
  rectangle net +3V3: 74.25,20.575 76.15,23.75
  rectangle net +5: 82.025,17.125 84.025,17.575
  rectangle net +5: 82.025,17.125 83.25,18.35
  rectangle net +5: 82.025,21 83.25,22.225
  rectangle net NetC26_2: 83.65,20.575 88.375,21.675
  rectangle net NetC26_2: 83.65,20.575 85.575,23.75
  rectangle net NetC1_1: 18.35,25.675 19.625,26.6
  rectangle net NetC1_1: 9.325,33.8 10.175,35.65
  rectangle net IN_P: 14.325,44.2 15.075,45.1
  rectangle net IN_N: 13.325,44.2 14.075,45.1
  rectangle net +3V3: 57.45,2.65 59.35,4.65
  rectangle net +5: 57.725,5.65 63.925,8.3
  rectangle net +1V2: 47.15,42.825 49.55,46.775
  rectangle net NetC48_2: 30.2,1.25 33.2,4.65
  rectangle net +VD: 36.25,0.306 41.825,2.55
  rectangle net +VD: 40.35,0.6 41.825,6.25
  region net NetC1_1: 9.325,26.6 9.325,26.225 9.625,25.925 9.825,25.925 10.175,26.275 10.175,26.6
  region net NetC1_1: 9.325,35.65 10.775,35.65 11.1,35.325 11.1,34.225 9.325,34.225
  region net NetC20_2: 9.775,22.45 9.775,18.5 11.5,18.5 11.5,20.725 11.075,21.15 11.075,22.45
  region net NetC20_2: 9.775,22.45 11.075,22.45 11.075,21.25 9.775,21.25
  region net NetL7_1: 84.05,11.25 84.05,12.025 83.875,12.2 82.05,12.2 81.4,12.85 81.4,13.55 79.425,13.55 79.425,9.95 81.425,9.95 81.425,10.625 82.05,11.25
  region net NetC75_2: 93.9,9.775 93.9,8.875 99.694,8.875 99.694,9.775
  pour cut-out: 9.764,10.575 11.419,10.575 11.419,6.125 9.764,6.125
  pour cut-out: 16.019,10.643 19.564,10.643 19.564,6.057 16.019,6.057
  pour cut-out: 11.419,12.752 16.019,12.752 16.019,3.948 11.419,3.948
  pour cut-out: 74.65,13.3 76.025,13.3 76.025,10.2 74.65,10.2
  pour cut-out: 4.644,21.349 4.659,21.34 4.677,21.34 4.981,21.214 4.994,21.201 5.011,21.197 5.272,20.996 5.281,20.981 5.296,20.972 5.497,20.711 5.501,20.694 5.514,20.681 5.64,20.377 5.64,20.359 5.649,20.344 5.692,20.017 5.687,20 5.692,19.983 5.649,19.656 5.64,19.641 5.64,19.623 5.514,19.319 5.501,19.306 5.497,19.289 5.296,19.028 5.281,19.019 5.272,19.004 5.011,18.803 4.994,18.799 4.981,18.786 4.677,18.66 4.659,18.66 4.644,18.651 4.644,17.1 4.639,17.088 4.641,17.074 4.625,16.993 4.61,16.971 4.605,16.946 4.559,16.877 4.548,16.869 4.543,16.857 2.861,15.175 2.861,14.992 2.857,14.983 2.857,14.974 2.858,14.967 2.857,14.959 2.857,14.441 2.858,14.433 2.857,14.426 2.857,14.417 2.861,14.408 2.861,14.09 3.004,13.947 3.41,13.947 3.503,13.908 3.542,13.815 3.542,12.165 3.503,12.072 3.41,12.033 2.65,12.033 2.557,12.072 2.518,12.165 2.518,13.461 2.274,13.705 2.269,13.717 2.258,13.725 2.212,13.793 2.207,13.819 2.192,13.841 2.176,13.922 2.179,13.935 2.174,13.948 2.174,14.068 1.075,14.068 0.982,14.107 0.943,14.2 0.943,15.2 0.982,15.293 1.075,15.332 2.178,15.332 2.176,15.343 2.192,15.424 2.207,15.446 2.212,15.472 2.258,15.54 2.269,15.548 2.274,15.56 3.956,17.242 3.956,18.651 3.941,18.66 3.923,18.66 3.619,18.786 3.606,18.799 3.589,18.803 3.328,19.004 3.319,19.019 3.304,19.028 3.103,19.289 3.099,19.306 3.086,19.319 2.96,19.623 2.96,19.641 2.951,19.656 2.908,19.983 2.913,20 2.908,20.017 2.951,20.344 2.96,20.359 2.96,20.377 3.086,20.681 3.099,20.694 3.103,20.711 3.304,20.972 3.319,20.981 3.328,20.996 3.589,21.197 3.606,21.201 3.619,21.214 3.923,21.34 3.941,21.34 3.956,21.349 4.283,21.392 4.3,21.387 4.317,21.392
  pour cut-out: 3.503,37.928 3.542,37.835 3.542,36.185 3.503,36.092 3.41,36.053 3.004,36.053 2.861,35.91 2.861,35.592 2.857,35.583 2.857,35.574 2.858,35.567 2.857,35.559 2.857,35.041 2.858,35.033 2.857,35.026 2.857,35.017 2.861,35.008 2.861,34.825 3.229,34.457 3.75,34.457 3.843,34.418 3.882,34.325 3.882,33.804 4.543,33.143 4.548,33.131 4.559,33.123 4.605,33.054 4.61,33.029 4.625,33.007 4.641,32.926 4.639,32.912 4.644,32.9 4.644,31.349 4.659,31.34 4.677,31.34 4.981,31.214 4.994,31.201 5.011,31.197 5.272,30.996 5.281,30.981 5.296,30.972 5.497,30.711 5.501,30.694 5.514,30.681 5.64,30.377 5.64,30.359 5.649,30.344 5.692,30.017 5.687,30 5.692,29.983 5.649,29.656 5.64,29.641 5.64,29.623 5.514,29.319 5.501,29.306 5.497,29.289 5.296,29.028 5.281,29.019 5.272,29.004 5.011,28.803 4.994,28.799 4.981,28.786 4.677,28.66 4.659,28.66 4.644,28.651 4.317,28.608 4.3,28.613 4.283,28.608 3.956,28.651 3.941,28.66 3.923,28.66 3.619,28.786 3.606,28.799 3.589,28.803 3.328,29.004 3.319,29.019 3.304,29.028 3.103,29.289 3.099,29.306 3.086,29.319 2.96,29.623 2.96,29.641 2.951,29.656 2.908,29.983 2.913,30 2.908,30.017 2.951,30.344 2.96,30.359 2.96,30.377 3.086,30.681 3.099,30.694 3.103,30.711 3.304,30.972 3.319,30.981 3.328,30.996 3.589,31.197 3.606,31.201 3.619,31.214 3.923,31.34 3.941,31.34 3.956,31.349 3.956,32.758 2.274,34.44 2.269,34.452 2.258,34.46 2.212,34.528 2.207,34.554 2.192,34.576 2.176,34.657 2.178,34.668 1.075,34.668 0.982,34.707 0.943,34.8 0.943,35.8 0.982,35.893 1.075,35.932 2.174,35.932 2.174,36.052 2.179,36.065 2.176,36.078 2.192,36.159 2.207,36.181 2.212,36.207 2.258,36.275 2.269,36.283 2.274,36.295 2.518,36.539 2.518,37.835 2.557,37.928 2.65,37.967 3.41,37.967
  pour cut-out: 34.9,10.5 36.45,10.5 36.45,6.7 34.9,6.7
Bottom Layer:
  rectangle net +5: 54.475,7.025 57.775,8.175
  rectangle net +VD: 29.375,0.306 35.5,4.15
  rectangle net +5: 43.675,47.2 47.05,49.592
  rectangle net +5: 82.3,6.35 87,9.5
  rectangle net ENC2_DT: 67.525,29.325 67.975,30.225
  rectangle net +1V2: 24.425,17.25 31.775,17.925
  rectangle net ENC2_CLK: 65.025,28.825 65.475,29.775
  rectangle net +3V3: 74.625,18.025 75.85,22.725
  rectangle net +3V3: 63.725,26.625 65.475,28.275
  rectangle net +3V3: 63.625,26.625 64.25,29.55
  rectangle net +3V3: 66.875,26.775 68.4,28.925
  rectangle net +3V3: 45.9,29.9 48.125,32.825
  rectangle net +1V2: 43.05,29.775 45.4,31.3
  rectangle net +12: 19.25,6 21.275,10.8
  rectangle net NetC75_2: 94.725,11.575 99.675,14.175
  rectangle net NetC9_2: 2.85,40.525 6.15,41.825
  rectangle net NetC75_2: 0.306,6.075 3.55,9.675
  rectangle net GND: 63.806,18.05 65.9,20.475
  rectangle net GND: 81.725,33.775 83.025,35.825
  rectangle net +5: 82.025,17.125 89.175,22.55
  rectangle net GND: 28.3,21.2 40,31.675
  rectangle net +3V3: 85.95,24.5 89.175,29.925
  rectangle net +3V3: 83.95,24.5 88.6,25.1
  rectangle net +3V3: 85.125,27.725 89.175,30.85
  rectangle net 5V: 75.4,10.725 78.35,14.125
  rectangle net NetR37_2: 21.85,4.525 23.85,5.825
  rectangle net NetC54_1: 21.85,10.875 23.85,12.375
  rectangle net +13.8: 4.225,7.7 8.6,12.875
  rectangle net VIN: 96.05,17.975 99.7,38.875
  rectangle net VIN: 94.275,35.775 99.375,38.875
  rectangle net +VA: 34.85,5.9 35.5,8.175
  rectangle net +VA: 34.85,7.4 37.65,8.175
  rectangle net +VA: 38.325,0.3 52.15,4.7
  rectangle net +VA: 47.725,0.3 55.125,4.15
  rectangle net +5: 56.375,5.9 63.925,8.6
  rectangle net +5: 54.475,5.9 55.125,8.175
  rectangle net +5: 21.175,41.725 23.1,43.55
  rectangle net +5: 22.925,39.6 27.05,42.575
  rectangle net NetC1_1: 17.575,25.675 19.65,28.975
  rectangle net +5: 21.675,39.6 23.1,43.55
  rectangle net +1V2: 53.825,40.9 56.45,42.939
  rectangle net +3V3: 45.425,31.85 48.125,32.825
  rectangle net +3V3: 34.625,17.025 36.475,18.35
  rectangle net +1V2: 29.8,17.05 31.875,18.35
  rectangle net +3V3: 23.325,20.4 25.3,22.975
  rectangle net +1V2: 23.325,23.4 25.3,25.325
  rectangle net +1V2: 23.35,30.7 25.3,32.675
  rectangle net +1V2: 43.075,18.525 44.975,20.825
  rectangle net +3V3: 43.1,21.3 44.975,24.275
  rectangle net +3V3: 23.35,25.55 25.275,30.35
  rectangle net +VD: 31.975,0.306 37.7,2.525
  rectangle net +1V2: 53.775,47.9 55.475,49.592
  region net +VA: 42.45,10.7 42.925,10.7 43.425,11.2 47.9,11.2 48.1,11 48.1,10.425 47.9,10.225 44.1,10.225 43.175,9.3 42.45,9.3
  region net GND: 32.1,5.025 32.1,6.4 34,6.4 34,5.025
  region net GND: 35.7,7.1 36.45,7.1 36.45,4.457 35.5,4.457 35.5,5.594 35.7,5.594
  pour cut-out: 11.8,20.1 17.825,20.1 17.825,19.1 11.8,19.1
  region net NetC20_2: 9.6,23.4 9.6,20.1 17.825,20.1 17.825,21.075 12.65,21.075 12.65,23.2 10.25,23.2 10.25,23.4
  region net +3V3: 82.025,24.9 82.8,24.9 83.45,25.55 86.875,25.55 86.875,24.5 83.825,24.5 82.925,23.6 82.025,23.6
  pour cut-out: 55.125,4.45 57.65,4.45 57.65,2.525 55.125,2.525
  pour cut-out: 35.5,4.457 38.35,4.457 38.35,2.525 35.5,2.525
  pour cut-out: 3.55,9.675 4.9,9.675 4.9,6.075 3.55,6.075
  pour cut-out: 41.275,33 41.275,20.025 26.95,20.025 26.95,33
  pour cut-out: 47.8,40.9 56.75,40.9 56.75,39.9 47.8,39.9
  pour cut-out: 37.525,44.375 37.525,45.625 47.05,45.625 47.05,44.375
GND (plane layer: these items are gaps in the copper):
  rectangle: 0,11.125 6.475,38.9
  lines w0.5: 35.625,0 35.625,2.575 35.9,2.85 40.175,2.85 47.95,2.85 48.075,2.975 48.725,3.625 48.725,7.075 48.725,8.6 48.3,9.025 47.485,9.025 47.325,9.185 47.325,10.1 47.375,10.15 47.525,10.3 48.675,10.3 50.6,10.3 51.275,9.625 51.275,2.7 51.275,-0.05 ; 38.975,0 39.65,0 ; 42.8,0.175 48.95,0.175 ; 99.95,14.15 99.95,14.475 ; 100,39.9 100,42.6 ; 24.475,17.225 24.975,16.725 30.275,16.725 30.475,16.925 30.475,17.625 30.25,17.85 28.2,17.85 27.95,18.1 27.95,19.6 28.775,20.425 28.775,30.675 29.375,31.275 35.025,31.275 38.175,31.275 39.2,31.275 39.775,30.7 39.775,23.725 39,22.95 39,18.325 39.325,18 41.35,18 43.825,20.475 43.825,29.3 43.825,33.275 43.825,35.525 43.25,36.1 36.825,36.1 36.45,36.475 36.45,36.65 36.45,38.525 36.7,38.775 37.55,39.625 39.85,39.625 43.575,39.625 46.825,39.625 47.175,39.975 47.175,42.05 47.425,42.3 49.2,42.3 49.75,42.85 49.75,46.525 49.325,46.95 37.575,46.95 35.8,45.175 25.45,45.175 24.475,44.2 24.475,43.05 24.475,34.85 24.475,17.225 ; 52.775,28.65 53.525,27.9 54.8,27.9 55.15,28.25 55.15,29.275 55.525,29.65 56.9,29.65 57.35,29.2 57.35,28.65 57.775,28.225 68.375,28.225 68.525,28.375 68.525,29.5 68.275,29.75 60,29.75 58.425,31.325 54.375,31.325 53.475,31.325 53.15,31 52.775,30.625 52.775,29.025 52.775,28.65
Power (plane layer: these items are gaps in the copper):
  lines w0.5: -0.025,40.05 7.95,40.05 7.95,41.675 ; 0,12.4 0,7.1 7.95,7.1 ; 7.95,22.4 7.95,7.1 ; 20.65,15.625 20.8,15.775 29.45,15.775 31.6,17.925 32.2,18.525 33.75,18.525 34.575,17.7 35.825,17.7 36.55,18.425 37.475,19.35 42.95,19.35 43.625,20.025 44.2,20.6 44.2,28.825 44.625,29.25 48.625,29.25 52.15,29.25 58.275,29.25 58.925,29.9 58.925,33.3 60.675,35.05 81.725,35.05 82.675,34.1 82.675,25.625 ; 46.625,36.225 25.525,36.225 24.175,34.875 24.175,20.525 23.4,19.75 22.7,19.75 21.55,19.75 20.65,18.85 20.65,13.25 21.65,12.25 48.025,12.25 51.55,8.725 73,8.725 76.525,12.25 78.075,13.8 81.425,17.15 81.425,24.375 82.675,25.625 ; 53.725,41.175 53.725,37.275 50.825,34.375 47.025,34.375 46.625,34.775 46.625,36.85 46.625,39.7 46.625,40.6 47.2,41.175 78,41.175 82.025,41.175 87.85,41.175 89.975,39.05 89.975,32.55 89.975,26.125 89.475,25.625 82.675,25.625 ; 99.975,14.5 94.775,14.5 93.7,13.425 93.7,8.5 87.7,2.5 12.55,2.5 9.125,5.925 7.95,7.1 ; 7.95,20.375 7.95,35.9 7.95,44.575 8.425,45.05 20.175,45.05 21.1,44.125 21.1,31.55 21.1,31.325 19.95,30.175 19.95,23.7 16.625,20.375 7.95,20.375 ; 10.525,24.05 12,22.575 14.625,22.575 15.85,22.575 17.975,24.7 17.975,28.95 17.975,34.375 15.625,36.725 12.55,36.725 11.025,36.725 10.525,36.225 10.525,30.7 10.525,24.05

## Silkscreen, mask and mechanical layers (free items; w line width, h text height)
Top Overlay:
  drawing of 3273 lines, arcs and shapes, not listed
  text "BPF" at 52.379,48.304 h1.3
  text "Motherboard" at 8.029,48.254 h1
  text "Mod_LZ1HAA" at 8.029,46.796 h1
  text "+13.8V-" at 99.071,34.604 h1.52 r90
  text "SD" at 76.671,33.129 h1.52 r90
  text "LTC2208CUP" at 20.384,26.025 h1.52 r90
  text "USB" at 99.096,22.904 h1.52 r90
  text "EP4CE22E22C8N" at 22.184,20.85 h1.52 r90
  text "STM32H743VIT6" at 53.809,17.775 h1.52 r90
  text "Rev_1.0.0" at 52.879,5.279 h1 r90
Bottom Overlay:
  drawing of 3258 lines, arcs and shapes, not listed
  text "WMBD0922R100" at 93.375,41.75 h3
Mechanical 1:
  lines w0.254: 12.525,22.675 15.025,22.675 15.025,24.675 12.525,24.675 12.525,22.675

## Dimensions
75.66,35.55 to 99.985,51.579 on Mechanical 1
100,50 to 94.825,24.975 on Mechanical 1
100,50 to 97.075,39.325 on Mechanical 1
4.3,20 to 0,0 on Mechanical 1
4.3,30 to 0,50 on Mechanical 1
97,47 to 100,50 on Mechanical 1
97,47 to 100,50 on Mechanical 1
3,3 to 0,0 on Mechanical 1
0,0 to 3,3 on Mechanical 1
3,47 to 97,47 on Mechanical 1

## Text inside footprints (layer, text, board x,y; h text height)
BT1: Bottom Overlay "+" at 73.725,8.3 h1 r270